# Allegro board RV1126B_mainboard.brd
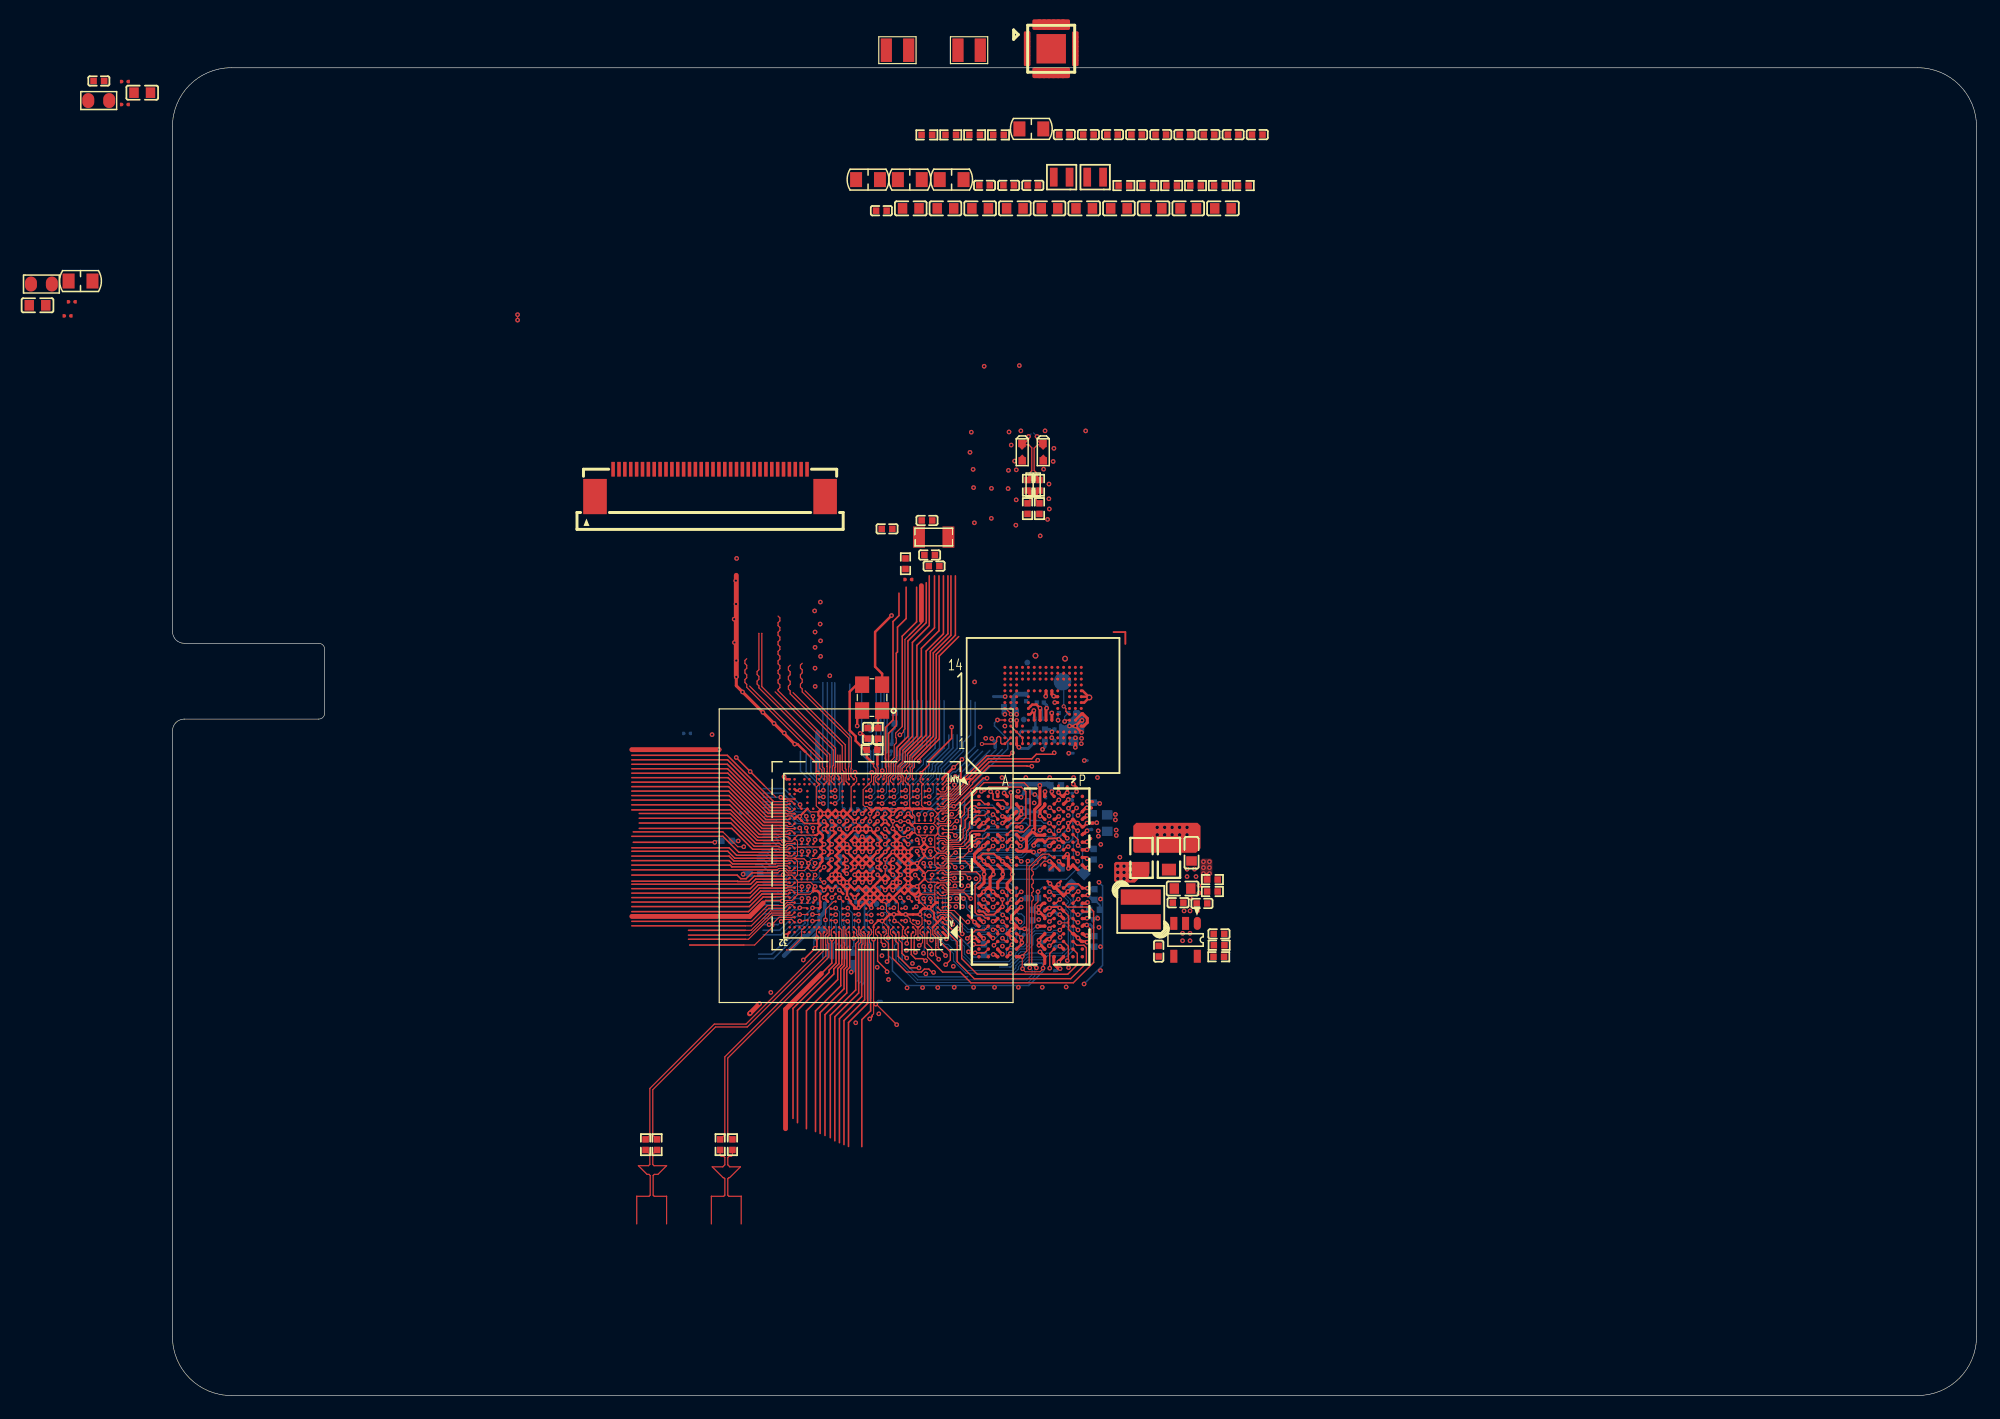
[diagram p0: board, top side]
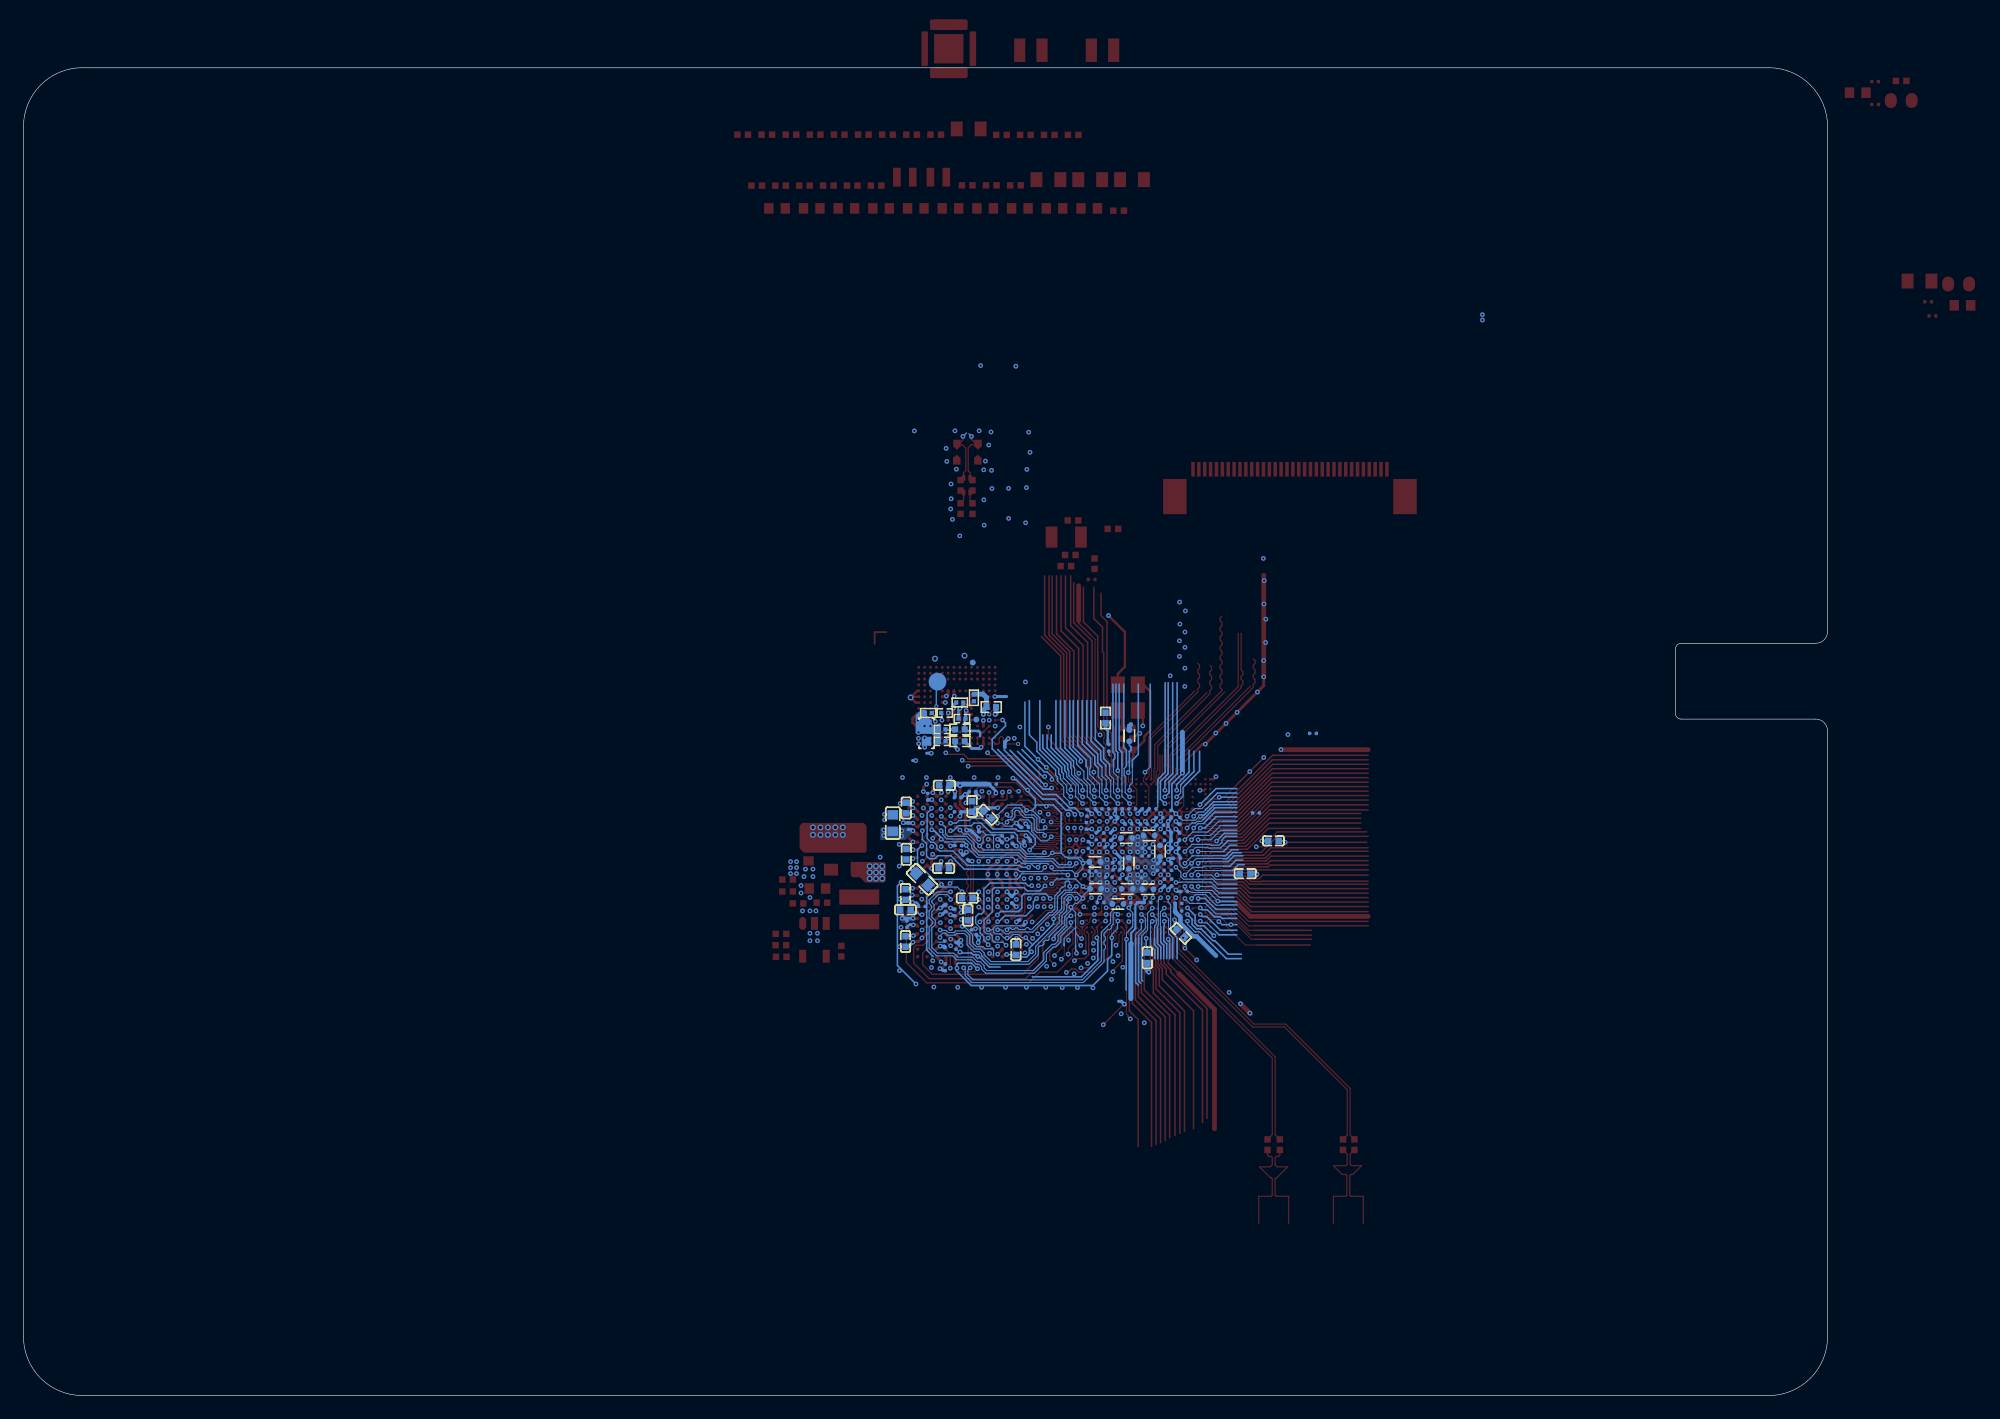
[diagram p1: board, bottom side, seen from below]

Outline 153.5 x 113.05 mm; copper layers: TOP, L2_GND1, L3_POWER, L4_S1, L5_GND2, L6_S2, L7_GND3, BOTTOM. Coordinates in mm from the lower left corner of the outline.
Outline path: 0,108.05 0,65.04 arc(0.29,64.34) 1,64.04 12.45,64.04 arc(12.8,63.9) 12.95,63.54 12.95,58.09 arc(12.8,57.74) 12.45,57.59 1,57.59 arc(0.29,57.3) 0,56.59 0,5 arc(1.46,1.46) 5,0 148.5,0 arc(152.03,1.46) 153.5,5 153.5,108.05 arc(152.03,111.58) 148.5,113.05 5,113.05 arc(1.46,111.58) 0,108.05

## Design rules (mm)
constraint set DEFAULT: min track width 0.114
net group FEPHY_RXN: nets FEPHY_RXN RD-
net group FEPHY_RXP: nets FEPHY_RXP RD+
net group FEPHY_TXN: nets FEPHY_TXN TD-
net group FEPHY_TXP: nets FEPHY_TXP TD+
net group I2C: nets I2C1_SCL I2C1_SDA
net group MIPI_CSI_RX0_CLK0: nets MIPI_CSI_RX0_CLK0N MIPI_CSI_RX0_CLK0P
net group MIPI_CSI_RX0_CLK1: nets MIPI_CSI_RX0_CLK1N MIPI_CSI_RX0_CLK1P
net group MIPI_CSI_RX1_CLK0: nets MIPI_CSI_RX1_CLK0N MIPI_CSI_RX1_CLK0P
net group MIPI_CSI_RX1_CLK1: nets MIPI_CSI_RX1_CLK1N MIPI_CSI_RX1_CLK1P
net group MIPI_CSI_RX1_D0: nets MIPI_CSI_RX1_D0N MIPI_CSI_RX1_D0P
net group MIPI_CSI_RX1_D1: nets MIPI_CSI_RX1_D1N MIPI_CSI_RX1_D1P
net group MIPI_CSI_RX1_D2: nets MIPI_CSI_RX1_D2N MIPI_CSI_RX1_D2P
net group MIPI_CSI_RX1_D3: nets MIPI_CSI_RX1_D3N MIPI_CSI_RX1_D3P
net group MIPI_DSI_CLK: nets MIPI_DSI_CLKN MIPI_DSI_CLKP
net group MIPI_DSI_D0: nets MIPI_DSI_D0N MIPI_DSI_D0P
net group MIPI_DSI_D1: nets MIPI_DSI_D1N MIPI_DSI_D1P
net group MIPI_DSI_D2: nets MIPI_DSI_D2N MIPI_DSI_D2P
net group MIPI_DSI_D3: nets MIPI_DSI_D3N MIPI_DSI_D3P
net group SINGLE-S12: nets FSPI_CLK/EMMC_RSTN MIPI_CSI_CLK0
net group USB3_SSRX: nets USB3_SSRXN USB3_SSRXP
net group USB3_SSTX: nets USB3_SSTXN USB3_SSTXP
net group CLS2_DDR_CA: nets DDR_RZQ
net group EMMC: nets EMMC_CMD EMMC_D0 EMMC_D1 EMMC_D2 EMMC_D3 EMMC_D4 EMMC_D5 EMMC_D6 EMMC_D7
net group MG_CLK_CA_A: nets LPDDR4_A0_A LPDDR4_A1_A LPDDR4_A2_A LPDDR4_A3_A LPDDR4_A4_A LPDDR4_A5_A LPDDR4_CKE0_A LPDDR4_CKE1_A LPDDR4_CSN0_A LPDDR4_CSN1_A
net group MG_CLK_CA_B: nets LPDDR4_A0_B LPDDR4_A1_B LPDDR4_A2_B LPDDR4_A3_B LPDDR4_A4_B LPDDR4_A5_B LPDDR4_CKE0_B LPDDR4_CKE1_B LPDDR4_CSN0_B LPDDR4_CSN1_B
net group MG_DQS0_A: nets LP4_DM0_A LP4_DQ0_A LP4_DQ1_A LP4_DQ2_A LP4_DQ3_A LP4_DQ4_A LP4_DQ5_A LP4_DQ6_A LP4_DQ7_A
net group MG_DQS0_B: nets LP4_DM0_B LP4_DQ0_B LP4_DQ1_B LP4_DQ2_B LP4_DQ3_B LP4_DQ4_B LP4_DQ5_B LP4_DQ6_B LP4_DQ7_B
net group MG_DQS1_A: nets LP4_DM1_A LP4_DQ8_A LP4_DQ9_A LP4_DQ10_A LP4_DQ11_A LP4_DQ12_A LP4_DQ13_A LP4_DQ14_A LP4_DQ15_A
net group MG_DQS1_B: nets LP4_DM1_B LP4_DQ8_B LP4_DQ9_B LP4_DQ10_B LP4_DQ11_B LP4_DQ12_B LP4_DQ13_B LP4_DQ14_B LP4_DQ15_B
net group MIPI: nets MIPI_CSI_RX0_CLKP MIPI_CSI_RX0_D0N MIPI_CSI_RX0_D0P MIPI_CSI_RX0_D1N MIPI_CSI_RX0_D1P MIPI_CSI_RX0_D2N MIPI_CSI_RX0_D2P MIPI_CSI_RX0_D3N MIPI_CSI_RX0_D3P
net group MIPI_CSI_RX0_CLK: nets MIPI_CSI_RX0_CLKN
net group POWER: nets VCC_3V3 VCC_CMOS VDDI
net group SINGLE-S8: nets MIPI_RX0_RST
net group TYPEC_DM: nets N19448724 TYPEC_DM USB2_OTG_DM
net group TYPEC_DP: nets N19448784 TYPEC_DP USB2_OTG_DP

## Placement (name value [footprint] x y rotation side)
C1  100nF  [C0201]  -4.05 109.92 0 top
C2  22uF/6.3V  [C0603]  -2.57 110.92 0 top
C3  4.7uF  [C0402]  -6.27 111.93 0 top
C65  4.7uF  [SC0402]  71.16 58.62 180 bottom
C67  1nF  [SC0201]  75.12 58.11 180 bottom
C70  100nF  [SC0201]  73.65 57.63 0 bottom
C73  100nF  [SC0201]  75.35 56.72 180 bottom
C74  4.7uF  [SC0402]  73.82 56.72 0 bottom
C77  10uF  [SC0603]  76.67 56.4 270 bottom
C78  100nF  [SC0201]  75.35 55.7 180 bottom
C79  4.7uF  [SC0402]  73.82 55.7 0 bottom
C183  22uF/35V  [C0805]  -7.82 94.89 0 top
C184  4.7uF/35V  [C0603]  -11.48 92.82 0 top
C185  100nF  [C0201]  -8.57 93.12 0 top
C191  100nF  [C0201]  -8.93 91.92 0 top
C192  100nF  [C0201]  -4.05 111.87 0 top
C1000  10uF  [C0402_BGA]  59.64 47.46 0 bottom
C1001  4.7uF  [C0402_BGA]  57.72 47.69 180 bottom
C1002  1uF  [C0201]  58.03 45.94 180 bottom
C1003  100nF  [C0201]  58.01 46.61 180 bottom
C1004  10uF  [C0402]  47.14 47.23 180 bottom
C1006  10uF  [C0402_BGA]  59.45 45.31 270 bottom
C1007  10uF  [C0402_BGA]  56.79 46.35 90 bottom
C1008  1uF  [C0201]  60.51 44.76 0 bottom
C1009  100nF  [C0201]  60.53 45.36 0 bottom
C1010  1uF  [C0201]  56.73 44.71 180 bottom
C1011  10uF  [C0402]  49.56 44.43 0 bottom
C1012  100nF  [C0201]  56.72 45.28 180 bottom
C1013  10uF  [C0402_BGA]  59.59 43.14 0 bottom
C1014  10uF  [C0402_BGA]  57.83 43.11 180 bottom
C1015  1uF  [C0201]  59.93 44.01 0 bottom
C1016  100nF  [C0201]  58.37 44.37 90 bottom
C1017  10uF  [C0402]  57.88 37.26 90 bottom
C1100  100nF  [C0201]  61.27 47.28 0 bottom
C1101  100nF  [C0201]  60.69 49.21 0 bottom
C1102  18pF  [C0402]  59.15 56.38 270 top
C1103  18pF  [C0402]  60.8 73.79 180 top
C1104  1nF  [C0201]  62.61 69.48 0 top
C1105  1uF  [C0201]  61.29 47.9 0 bottom
C1106  100nF  [C0201]  61.19 46.69 0 bottom
C1107  18pF  [C0402]  64.8 70.62 0 top
C1108  100nF  [C0201]  60.87 49.95 0 bottom
C1109  18pF  [C0402]  64.2 74.5 180 top
C1110  1uF  [C0201]  62.02 49.95 180 bottom
C1111  100nF  [C0201]  54.76 42.91 180 bottom
C1112  100nF  [C0201]  61.16 55.15 270 bottom
C1201  10uF  [C0402_BGA]  60.38 41.86 180 bottom
C1202  10uF  [C0402_BGA]  62.27 43.15 0 bottom
C1203  1uF  [C0201]  71.01 52.05 180 bottom
C1204  100nF  [C0201]  62.53 44.63 0 bottom
C1206  10uF  [C0402_BGA]  62.33 45.44 0 bottom
C1207  100nF  [C0201]  61.16 44.13 180 bottom
C1300  100nF  [C0201]  62.9 46.86 270 bottom
C1301  100nF  [C0201]  56.85 49.2 180 bottom
C1302  100nF  [C0201]  57.86 41.97 180 bottom
C1401  1uF  [C0201]  63.01 49.62 270 bottom
C1402  1uF  [C0201]  62.22 47.62 270 bottom
C1403  1uF  [C0201]  63.06 48.5 90 bottom
C1508  100nF  [C0201]  58.99 41.97 0 bottom
C1600  100nF  [C0201]  55.14 47.61 270 bottom
C1601  100nF  [C0201]  48.63 49.6 180 bottom
C1602  100nF  [C0201]  56.14 47.9 0 bottom
C1603  100nF  [C0201]  55.49 46.61 180 bottom
C1604  100nF  [C0201]  55.11 48.93 90 bottom
C1605  100nF  [C0201]  55.85 49.54 90 bottom
C1606  100nF  [C0201]  56.14 47.26 0 bottom
C1700  1uF  [C0201]  55.36 45.74 180 bottom
C1701  100nF  [C0201]  55.82 45 270 bottom
C1702  100nF  [C0201]  55.24 41.26 180 bottom
C1703  100nF  [C0201]  43.78 56.37 180 bottom
C1800  100nF  [C0201]  56.79 48.56 180 bottom
C1803  2.2uF  [C0201]  59.73 49.95 180 bottom
C1804  2.2uF  [C0201]  58.17 48.65 180 bottom
C1807  2.2uF  [C0201]  59.49 48.66 180 bottom
C1808  2.2uF  [C0201]  57.42 49.95 180 bottom
C1809  4.7uF  [C0402_BGA]  59.4 56.18 270 bottom
C1810  100nF  [C0201]  58.59 49.95 0 bottom
C1900  100nF  [C0201]  55.23 41.9 180 bottom
C1901  100nF  [C0201]  55.8 43.68 90 bottom
C1902  100nF  [C0201]  56.42 43.68 90 bottom
C2300  10uF  [C0805]  73.08 107.84 0 top
C2301  10uF  [C0603]  62.82 101.07 0 top
C2302  100nF  [C0402]  77.94 107.35 0 top
C2303  22uF  [C0603]  71.67 101.07 0 top
C2304  22uF  [C0603]  74.63 101.07 0 top
C2305  22uF  [C0603]  77.58 101.07 0 top
C2306  10uF  [C0603]  65.77 101.07 0 top
C2307  10uF  [C0805]  59.18 103.52 0 top
C2308  100pF  [C0402]  75.88 107.35 0 top
C2309  22uF  [C0603]  80.53 101.07 0 top
C2310  100nF  [C0402]  79.99 107.35 0 top
C2311  22uF  [C0805]  62.74 103.52 0 top
C2312  22uF  [C0805]  66.29 103.52 0 top
C2313  1uF  [C0402]  84.09 107.35 0 top
C2314  2.2uF  [C0402]  69.1 103.04 0 top
C2315  1uF  [C0402]  86.14 107.35 0 top
C2316  1uF  [C0402]  88.2 107.35 0 top
C2317  2.2uF  [C0402]  71.15 103.04 0 top
C2318  1uF  [C0402]  90.25 107.35 0 top
C2319  10uF  [C0603]  68.72 101.07 0 top
C2320  1nF  [C0402]  73.2 103.04 0 top
C2321  100nF  [C0402]  82.04 107.35 0 top
C2322  1uF  [C0402]  92.3 107.35 0 top
C2323  1uF  [C0402]  60.32 100.88 0 top
C2324  22uF  [C0603]  83.48 101.07 0 top
C2325  22uF  [C0603]  86.43 101.07 0 top
C2326  22uF  [C0603]  89.38 101.07 0 top
C3300  10uF  [C0402]  83.91 37.83 90 top
C3301  100pF  [C0402#2]  89.04 39.3 180 top
C3302  22uF  [C0603]  85.95 43.16 0 top
C3303  100nF  [C0402#2]  85.56 41.96 0 top
C3304  10uF  [C0603]  86.71 46.21 270 top
C3305  NC  [C0402#2]  78.45 38.66 270 bottom
C3306  NC  [C0402#2]  72.79 50.15 90 bottom
C3307  NC  [C0402#2]  78.39 50.02 90 bottom
C3308  1uF  [C0402]  69.05 37.96 270 bottom
C3309  1uF  [C0402]  71.47 49.45 225 bottom
C3310  100nF  [C0201]  74.15 38.29 270 bottom
C3311  100nF  [C0201]  68.28 48.37 0 bottom
C3312  100nF  [C0201]  72.64 39.46 45 bottom
C3313  100nF  [C0201]  74.01 49.69 0 bottom
C3314  100nF  [C0201]  75.02 41.49 90 bottom
C3315  100nF  [C0201]  76.56 50.98 90 bottom
C3316  100nF  [C0201]  75.13 38.42 90 bottom
C3317  NC  [C0201]  70.22 47.35 90 bottom
C3318  100nF  [C0402]  87.6 41.89 180 top
C3319  22uF  [C0603]  77.03 43.95 225 bottom
C3320  1uF  [C0402]  75.15 51.95 0 bottom
C3321  1uF  [C0402#2]  78.45 42.66 270 bottom
C3322  1uF  [C0402#2]  73.16 40.9 270 bottom
C3323  NC  [C0402#2]  78.38 46.09 270 bottom
C3324  NC  [C0402]  73.2 42.35 0 bottom
C3325  NC  [C0402#2]  75.2 44.89 180 bottom
C3326  NC  [C0201]  73.37 45.83 225 bottom
C3327  NC  [C0201]  77.06 41.64 180 bottom
C3328  100nF  [C0201]  75.07 36.46 90 bottom
C3329  100nF  [C0201]  72.48 47.99 180 bottom
C3330  100nF  [C0201]  69.4 42.21 90 bottom
C3331  NC  [C0201]  69.36 47.28 90 bottom
C3332  10uF  [C0603]  79.53 48.74 90 bottom
C3333  100nF  [C0201]  78.33 40.14 270 bottom
C3334  100nF  [C0201]  73.96 46.82 180 bottom
C3335  100nF  [C0201]  74.26 41.13 90 bottom
C3336  100nF  [C0201]  68.55 40.27 225 bottom
C3337  100nF  [C0201]  68.1 47.2 0 bottom
C3338  100nF  [C0201]  78.2 48.47 90 bottom
C3339  NC/1nF  [C0402]  78.45 41.36 0 bottom
C*  18pF  [unnamed]  64.43 71.56 180 top
ED2500  ESD5341N  [ESD0402]  74.09 80.31 270 top
ED2501  ESD5341N  [ESD0402]  72.3 80.31 270 top
FB3  BLM21PG121SN1D  [FB0805]  -11.15 94.63 0 top
FB4  BLM21PG121SN1D  [FB0805]  -6.28 110.25 0 top
FB2500  NC/90R-100M  [CM_IND_131006]  73.23 77.51 90 top
FPC1  0.5K-AX-34PWBG  [FPC-SMD_34P-P0_50_HDGC_0_5K-AX-34PWBG]  45.74 77.7 0 top
L2300  0.47uH  [IND-SMD_L2_5-W2_0_WPN2520X]  61.69 114.54 0 top
L2301  1.0uH  [IND_201610]  75.66 103.73 0 top
L2302  0.47uH  [IND-SMD_L2_5-W2_0_WPN2520X]  67.78 114.54 0 top
L2303  2.2uH  [IND_201610]  78.51 103.73 0 top
L3300  3.3uH  [IND_303015]  82.39 41.39 180 top
R70  4.7K  [SR0201]  72.63 59.41 270 bottom
R71  20K  [SR0201]  73.84 59 0 bottom
R75  4.7K  [SR0201]  76.52 58.11 180 bottom
R1101  22R  [R0402]  60.04 56.37 270 top
R1103  1M  [R0402]  59.53 54.98 180 top
R1105  0R  [R0402]  62.37 70.82 90 top
R1113  100R  [R0402]  61.43 57.68 90 bottom
R1200  120R  [R0201]  61.85 41.97 180 bottom
R1900  6.49K  [R0402]  55.03 39.35 225 bottom
R2303  240K  [R0402]  80.95 103.01 0 top
R2304  121K  [R0402]  82.98 103.01 0 top
R2307  2.2K  [R0402]  85.02 103.01 0 top
R2308  2.2K  [R0402]  87.05 103.01 0 top
R2309  10K  [R0402]  89.08 103.01 0 top
R2310  NC/100K  [R0402]  91.11 103.01 0 top
R2312  200K  [R0402]  64.19 107.33 0 top
R2314  100K  [R0402]  66.22 107.33 0 top
R2320  100R  [R0402]  68.25 107.33 0 top
R2321  100R  [R0402]  70.28 107.33 0 top
R2500  0R  [R0402]  73.77 77.5 90 top
R2501  2.2R  [R0402]  73.77 75.51 90 top
R2502  2.2R  [R0402]  72.75 75.51 90 top
R2503  0R  [R0402]  72.75 77.5 90 top
R3300  240R  [R0201]  72.74 51.42 180 bottom
R3301  240R  [R0201]  74.01 50.91 0 bottom
R3302  NC/0R  [R0805]  82.45 45.77 90 top
R3303  0R  [R0805]  84.79 45.77 90 top
R3304  0R  [R0402]  89.06 38.34 180 top
R3305  27K  [R0402]  88.49 42.91 180 top
R3306  NC  [R0402]  89.03 37.36 0 top
R3307  0R  [R0402]  88.49 43.93 180 top
R6500  0R  [R0402]  40.25 21.36 270 top
R6501  0R  [R0402]  41.23 21.36 270 top
R6502  0R  [R0402]  46.6 21.36 270 top
R6503  0R  [R0402]  47.64 21.36 270 top
TP12  TP_0.5  [TP_0R50]  72.73 62.4 180 bottom
TP14  TP_0.5  [TP_0R50]  72.43 57.55 180 bottom
TP25  -  [TP_1R50]  75.73 60.78 180 bottom
U3  KLM8G1GETF-B041  [BGA153_13R10X11R60X1R00_2L]  74.08 58.75 0 top
U1000  RV1126B  [BGA491_14R0X14R0X1R00]  59.02 45.96 180 top
U2300  RK801-2  [QFN28_P40_4R00X4R00X0R80_T]  74.77 114.67 0 top
U3300  LP4_LP4X_B200  [BGA200_15R00X10R00X0R90]  73.02 44.18 0 top
U3301  SY8089AAC  [SOT_23_5]  86.2 38.8 270 top
Y1100  24MHz  [CRY4_3R20X2R50X0R80]  59.53 59.42 90 top
Y1101  32.768KHz  [CRY2_3R20X1R50X0R90]  64.77 73.09 180 top

## Library data of the parts
C1-C3 C65 C67 C70 C73 C74 C77-C79 C183-C185 C191 C192 C1000-C1004 C1006-C1017 C1100-C1112 C1201-C1204 C1206 C1207 C1300-C1302 C1401-C1403 C1508 C1600-C1606 C1700-C1703 C1800 C1803 C1804 C1807-C1810 C1900-C1902 C2300-C2326 C3300-C3304 C3308-C3316 C3318-C3322 C3328-C3330 C3332-C3338 = CAP NP
C3305-C3307 C3317 C3323-C3327 C3331 C3339 = CAP NP_NC
ED2500 ED2501 = DIODE BI_DIR TRIG
FB3 FB4 = Inductor
FB2500 = INDUCTOR COM
FPC1 = FH26-31S-0_4.3SHW
L2300-L2303 L3300 = INDUCTORS OF FERRITE
R70 R71 R75 = RESISTOR
R1101 R1103 R1105 R1113 R2307-R2310 R2312 R2314 R3303-R3305 R3307 = RESISTOR5
R1200 R1900 R2303 R2304 R2320 R2321 R3300 R3301 = RESISTOR1
R2500 = RESISTOR1: signal model: RESISTOR1_R0402_0R_0R
R2501 R2502 = RESISTOR5: signal model: RESISTOR5_R0402_2.2R_2.2R
R2503 = RESISTOR1: signal model: RESISTOR_R0402_0R_0R
R3302 R3306 = RESISTOR5_NC
R6500-R6503 = RESISTOR5: signal model: RESISTOR5_R0402_0R_0R
TP12 TP14 = TP
TP25 = h0502
U3 = INAND_EMMC_153
U1000 = SOC_RV1126B
U2300 = PMIC_RK801-2
U3300 = LPDDR4_32bit_200P
U3301 = DCDC_SY8088
Y1100 = CRYSTAL_4P
Y1101 = CRYSTAL_2P

## Footprints (pads in the part's own frame, mm; a bottom-side part is the same pattern mirrored in y, then rotated)
BGA153_13R10X11R60X1R00_2L
  round 0.254 smd: A1(-3.25,-3.25) A2(-3.25,-2.75) A3(-3.25,-2.25) A4(-3.25,-1.75) A5(-3.25,-1.25) A6(-3.25,-0.75) A7(-3.25,-0.25) A8(-3.25,0.25) A9(-3.25,0.75) A10(-3.25,1.25) A11(-3.25,1.75) A12(-3.25,2.25) A13(-3.25,2.75) A14(-3.25,3.25) B1(-2.75,-3.25) B2(-2.75,-2.75) B3(-2.75,-2.25) B4(-2.75,-1.75) B5(-2.75,-1.25) B6(-2.75,-0.75) B7(-2.75,-0.25) B8(-2.75,0.25) B9(-2.75,0.75) B10(-2.75,1.25) B11(-2.75,1.75) B12(-2.75,2.25) B13(-2.75,2.75) B14(-2.75,3.25) C1(-2.25,-3.25) C2(-2.25,-2.75) C3(-2.25,-2.25) C4(-2.25,-1.75) C5(-2.25,-1.25) C6(-2.25,-0.75) C7(-2.25,-0.25) C8(-2.25,0.25) C9(-2.25,0.75) C10(-2.25,1.25) C11(-2.25,1.75) C12(-2.25,2.25) C13(-2.25,2.75) C14(-2.25,3.25) D1(-1.75,-3.25) D2(-1.75,-2.75) D3(-1.75,-2.25) D4(-1.75,-1.75) D12(-1.75,2.25) D13(-1.75,2.75) D14(-1.75,3.25) E1(-1.25,-3.25) E2(-1.25,-2.75) E3(-1.25,-2.25) E5(-1.25,-1.25) E6(-1.25,-0.75) E7(-1.25,-0.25) E8(-1.25,0.25) E9(-1.25,0.75) E10(-1.25,1.25) E12(-1.25,2.25) E13(-1.25,2.75) E14(-1.25,3.25) F1(-0.75,-3.25) F2(-0.75,-2.75) F3(-0.75,-2.25) F5(-0.75,-1.25) F10(-0.75,1.25) F12(-0.75,2.25) F13(-0.75,2.75) F14(-0.75,3.25) G1(-0.25,-3.25) G2(-0.25,-2.75) G3(-0.25,-2.25) G5(-0.25,-1.25) G10(-0.25,1.25) G12(-0.25,2.25) G13(-0.25,2.75) G14(-0.25,3.25) H1(0.25,-3.25) H2(0.25,-2.75) H3(0.25,-2.25) H5(0.25,-1.25) H10(0.25,1.25) H12(0.25,2.25) H13(0.25,2.75) H14(0.25,3.25) J1(0.75,-3.25) J2(0.75,-2.75) J3(0.75,-2.25) J5(0.75,-1.25) J10(0.75,1.25) J12(0.75,2.25) J13(0.75,2.75) J14(0.75,3.25) K1(1.25,-3.25) K2(1.25,-2.75) K3(1.25,-2.25) K5(1.25,-1.25) K6(1.25,-0.75) K7(1.25,-0.25) K8(1.25,0.25) K9(1.25,0.75) K10(1.25,1.25) K12(1.25,2.25) K13(1.25,2.75) K14(1.25,3.25) L1(1.75,-3.25) L2(1.75,-2.75) L3(1.75,-2.25) L12(1.75,2.25) L13(1.75,2.75) L14(1.75,3.25) M1(2.25,-3.25) M2(2.25,-2.75) M3(2.25,-2.25) M4(2.25,-1.75) M5(2.25,-1.25) M6(2.25,-0.75) M7(2.25,-0.25) M8(2.25,0.25) M9(2.25,0.75) M10(2.25,1.25) M11(2.25,1.75) M12(2.25,2.25) M13(2.25,2.75) M14(2.25,3.25) N1(2.75,-3.25) N2(2.75,-2.75) N3(2.75,-2.25) N4(2.75,-1.75) N5(2.75,-1.25) N6(2.75,-0.75) N7(2.75,-0.25) N8(2.75,0.25) N9(2.75,0.75) N10(2.75,1.25) N11(2.75,1.75) N12(2.75,2.25) N13(2.75,2.75) N14(2.75,3.25) P1(3.25,-3.25) P2(3.25,-2.75) P3(3.25,-2.25) P4(3.25,-1.75) P5(3.25,-1.25) P6(3.25,-0.75) P7(3.25,-0.25) P8(3.25,0.25) P9(3.25,0.75) P10(3.25,1.25) P11(3.25,1.75) P12(3.25,2.25) P13(3.25,2.75) P14(3.25,3.25)
BGA200_15R00X10R00X0R90
  round 0.3 smd: A1(-4.4,6.825) A2(-3.6,6.825) A3(-2.8,6.825) A4(-2,6.825) A5(-1.2,6.825) A8(1.2,6.825) A9(2,6.825) A10(2.8,6.825) A11(3.6,6.825) A12(4.4,6.825) AA1(-4.4,-6.175) AA2(-3.6,-6.175) AA3(-2.8,-6.175) AA4(-2,-6.175) AA5(-1.2,-6.175) AA8(1.2,-6.175) AA9(2,-6.175) AA10(2.8,-6.175) AA11(3.6,-6.175) AA12(4.4,-6.175) AB1(-4.4,-6.825) AB2(-3.6,-6.825) AB3(-2.8,-6.825) AB4(-2,-6.825) AB5(-1.2,-6.825) AB8(1.2,-6.825) AB9(2,-6.825) AB10(2.8,-6.825) AB11(3.6,-6.825) AB12(4.4,-6.825) B1(-4.4,6.175) B2(-3.6,6.175) B3(-2.8,6.175) B4(-2,6.175) B5(-1.2,6.175) B8(1.2,6.175) B9(2,6.175) B10(2.8,6.175) B11(3.6,6.175) B12(4.4,6.175) C1(-4.4,5.525) C2(-3.6,5.525) C3(-2.8,5.525) C4(-2,5.525) C5(-1.2,5.525) C8(1.2,5.525) C9(2,5.525) C10(2.8,5.525) C11(3.6,5.525) C12(4.4,5.525) D1(-4.4,4.875) D2(-3.6,4.875) D3(-2.8,4.875) D4(-2,4.875) D5(-1.2,4.875) D8(1.2,4.875) D9(2,4.875) D10(2.8,4.875) D11(3.6,4.875) D12(4.4,4.875) E1(-4.4,4.225) E2(-3.6,4.225) E3(-2.8,4.225) E4(-2,4.225) E5(-1.2,4.225) E8(1.2,4.225) E9(2,4.225) E10(2.8,4.225) E11(3.6,4.225) E12(4.4,4.225) F1(-4.4,3.575) F2(-3.6,3.575) F3(-2.8,3.575) F4(-2,3.575) F5(-1.2,3.575) F8(1.2,3.575) F9(2,3.575) F10(2.8,3.575) F11(3.6,3.575) F12(4.4,3.575) G1(-4.4,2.925) G2(-3.6,2.925) G3(-2.8,2.925) G4(-2,2.925) G5(-1.2,2.925) G8(1.2,2.925) G9(2,2.925) G10(2.8,2.925) G11(3.6,2.925) G12(4.4,2.925) H1(-4.4,2.275) H2(-3.6,2.275) H3(-2.8,2.275) H4(-2,2.275) H5(-1.2,2.275) H8(1.2,2.275) H9(2,2.275) H10(2.8,2.275) H11(3.6,2.275) H12(4.4,2.275) J1(-4.4,1.625) J2(-3.6,1.625) J3(-2.8,1.625) J4(-2,1.625) J5(-1.2,1.625) J8(1.2,1.625) J9(2,1.625) J10(2.8,1.625) J11(3.6,1.625) J12(4.4,1.625) K1(-4.4,0.975) K2(-3.6,0.975) K3(-2.8,0.975) K4(-2,0.975) K5(-1.2,0.975) K8(1.2,0.975) K9(2,0.975) K10(2.8,0.975) K11(3.6,0.975) K12(4.4,0.975) N1(-4.4,-0.975) N2(-3.6,-0.975) N3(-2.8,-0.975) N4(-2,-0.975) N5(-1.2,-0.975) N8(1.2,-0.975) N9(2,-0.975) N10(2.8,-0.975) N11(3.6,-0.975) N12(4.4,-0.975) P1(-4.4,-1.625) P2(-3.6,-1.625) P3(-2.8,-1.625) P4(-2,-1.625) P5(-1.2,-1.625) P8(1.2,-1.625) P9(2,-1.625) P10(2.8,-1.625) P11(3.6,-1.625) P12(4.4,-1.625) R1(-4.4,-2.275) R2(-3.6,-2.275) R3(-2.8,-2.275) R4(-2,-2.275) R5(-1.2,-2.275) R8(1.2,-2.275) R9(2,-2.275) R10(2.8,-2.275) R11(3.6,-2.275) R12(4.4,-2.275) T1(-4.4,-2.925) T2(-3.6,-2.925) T3(-2.8,-2.925) T4(-2,-2.925) T5(-1.2,-2.925) T8(1.2,-2.925) T9(2,-2.925) T10(2.8,-2.925) T11(3.6,-2.925) T12(4.4,-2.925) U1(-4.4,-3.575) U2(-3.6,-3.575) U3(-2.8,-3.575) U4(-2,-3.575) U5(-1.2,-3.575) U8(1.2,-3.575) U9(2,-3.575) U10(2.8,-3.575) U11(3.6,-3.575) U12(4.4,-3.575) V1(-4.4,-4.225) V2(-3.6,-4.225) V3(-2.8,-4.225) V4(-2,-4.225) V5(-1.2,-4.225) V8(1.2,-4.225) V9(2,-4.225) V10(2.8,-4.225) V11(3.6,-4.225) V12(4.4,-4.225) W1(-4.4,-4.875) W2(-3.6,-4.875) W3(-2.8,-4.875) W4(-2,-4.875) W5(-1.2,-4.875) W8(1.2,-4.875) W9(2,-4.875) W10(2.8,-4.875) W11(3.6,-4.875) W12(4.4,-4.875) Y1(-4.4,-5.525) Y2(-3.6,-5.525) Y3(-2.8,-5.525) Y4(-2,-5.525) Y5(-1.2,-5.525) Y8(1.2,-5.525) Y9(2,-5.525) Y10(2.8,-5.525) Y11(3.6,-5.525) Y12(4.4,-5.525)